# Altium PCB USB_to_IRDA.PcbDoc
Units mm, origin at the board's own origin, x right, y up, seen from the top; angles counter-clockwise.
Board outline 63.25 x 19.02 mm, 4 copper layers (Top Layer, Power Layer, Ground Layer, Bottom Layer), stack 1.478 mm thick; 42 components, 26 nets, 140 pads, 50 vias.
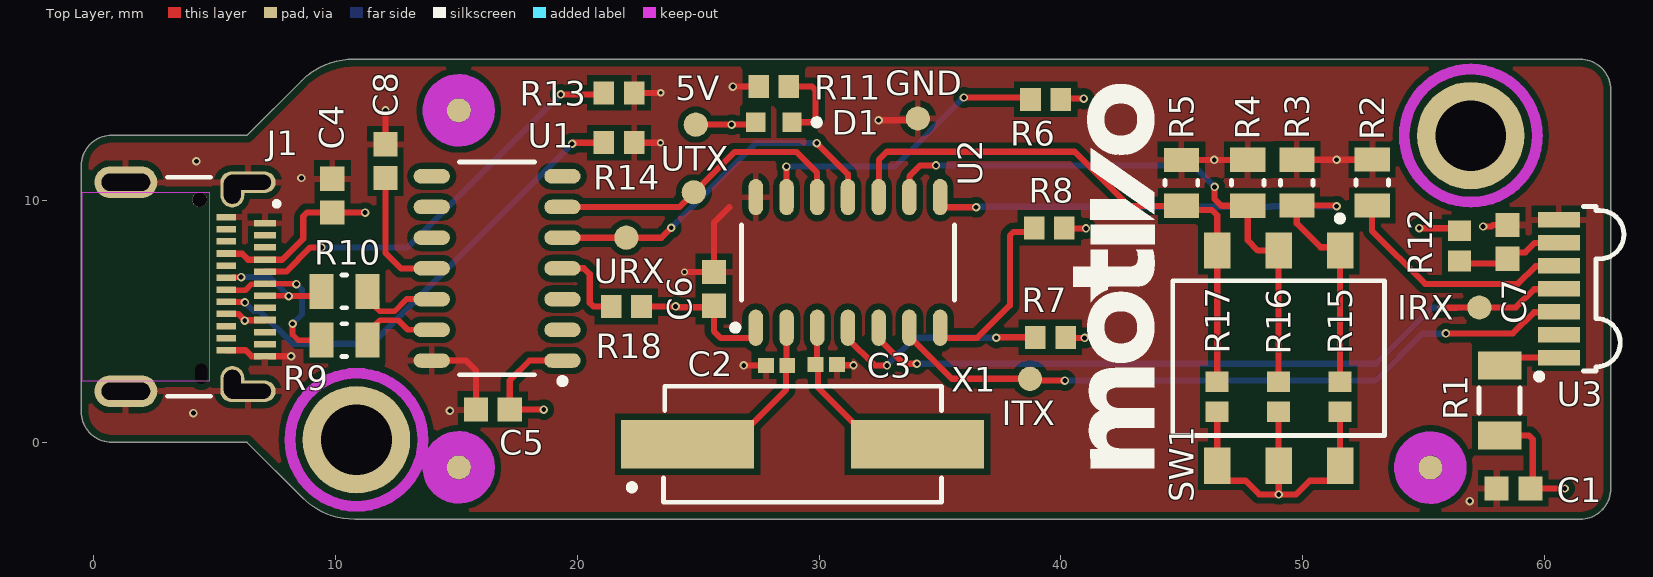
[diagram p0: Top Layer view]
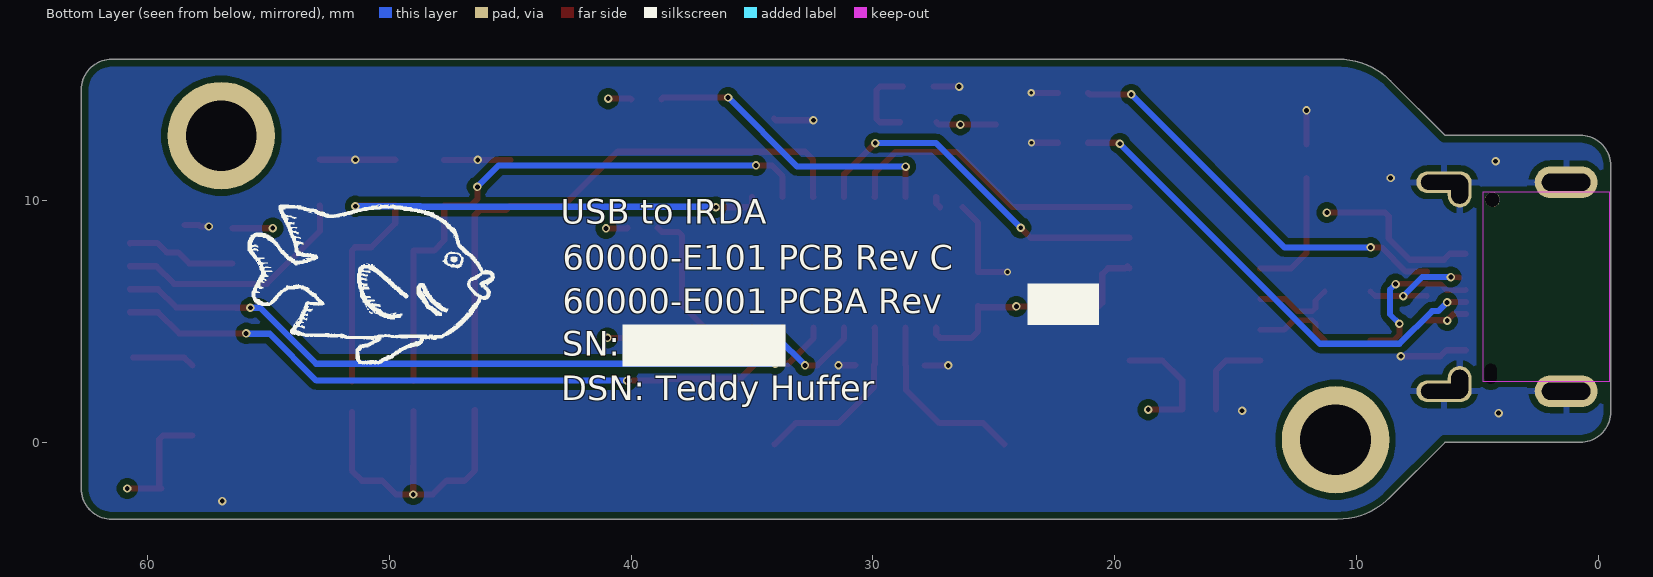
[diagram p1: Bottom Layer view, seen from below]
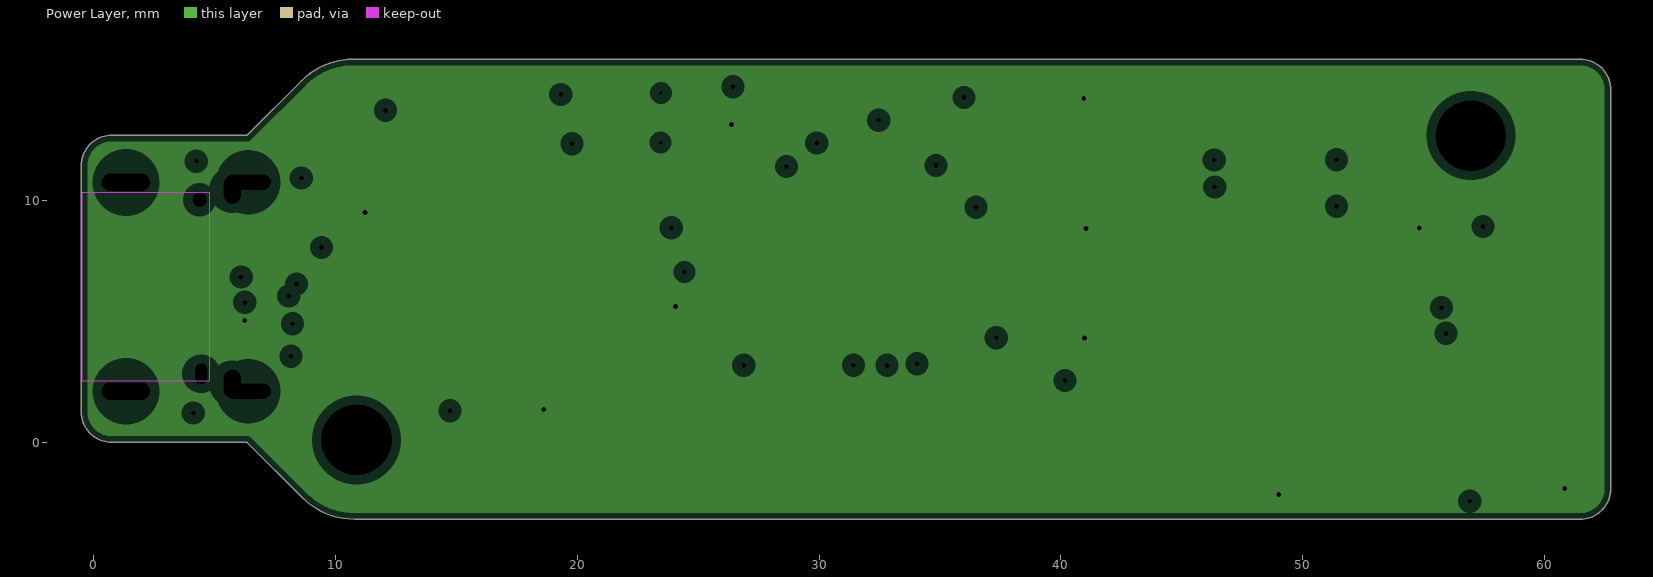
[diagram p2: Power Layer, clearances drawn from the general rule]
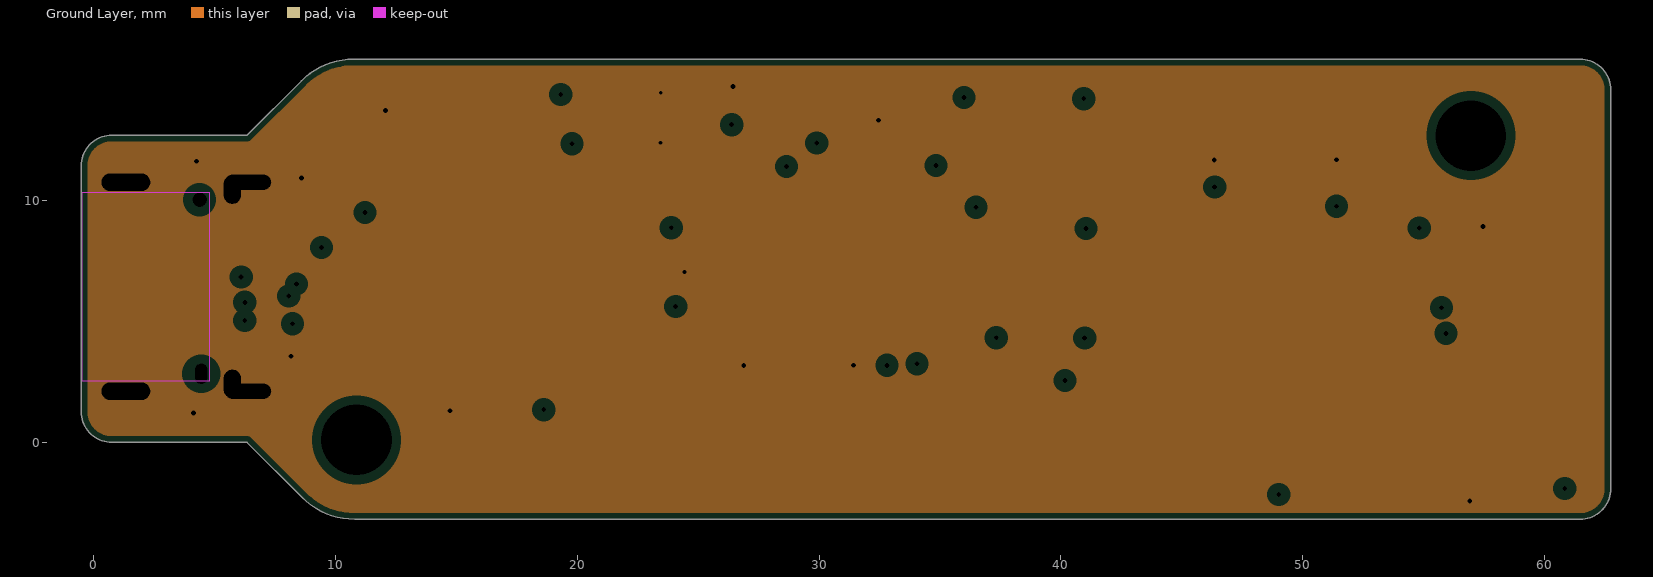
[diagram p3: Ground Layer, clearances drawn from the general rule]
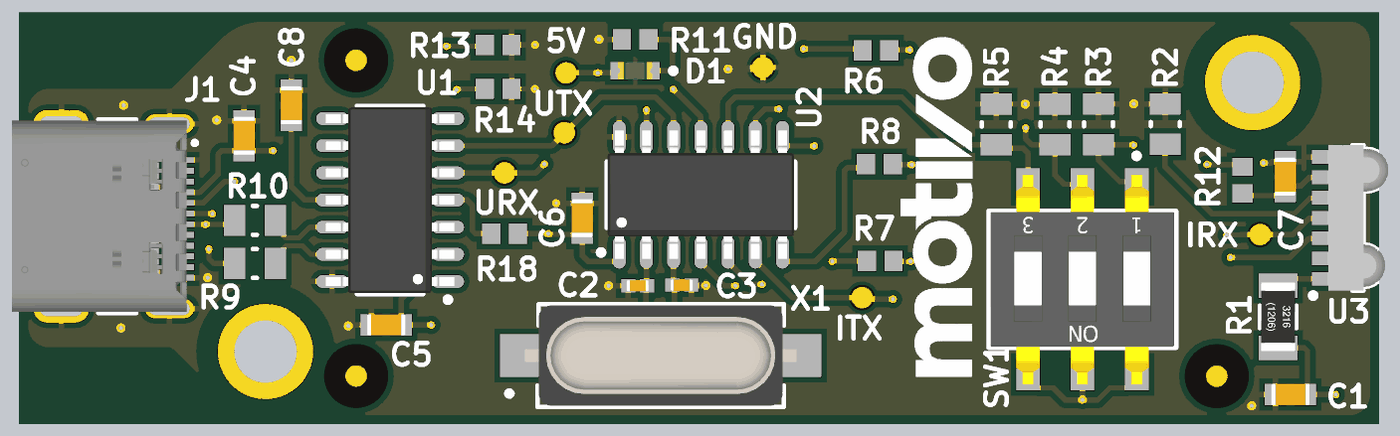
[diagram p4: 3D render of the assembled board from above, using the file's embedded part models]

## Layer stack, top to bottom
Top Solder: solder mask 0.0254, SM-001, Dk 4
Top Layer: signal copper 0.0178
Dielectric 1: prepreg 0.193, 2113-59, Dk 4.2
Power Layer: plane copper 0.033, net +5V
Dielectric1: core 0.9906, FR-4, Dk 4.3
Ground Layer: plane copper 0.033, net GND
Dielectric 2: prepreg 0.193, 2113-59, Dk 4.2
Bottom Layer: signal copper 0.0178
Bottom Solder: solder mask 0.0254, SM-001, Dk 4

## Board outline
0.762,0 6.35,0 8.63,-2.28 ccw(c10.798,-0.112) 10.798,-3.178 61.468,-3.178 ccw(c61.468,-1.908) 62.738,-1.908 62.738,14.572 ccw(c61.468,14.572) 61.468,15.842 10.762,15.842 ccw(c10.762,12.776) 8.594,14.944 6.35,12.7 0.762,12.7 ccw(c0.762,11.43) -0.508,11.43 -0.508,1.27 ccw(c0.762,1.27)

## Design rules (kind name [scope] priority, off if disabled: settings)
AcuteAngle [All] p1: minimum=8.90000000000000E+0001 checktracksonly=TRUE
AssemblyTestPointUsage [All] p1: allowmultiple=TRUE
AssemblyTestpoint [All] p1: testpointundercomponent=TRUE minsize=0.813 maxsize=2.54 preferedsize=1.524 minholesize=0 maxholesize=1.016 preferedholesize=0.813 testpointgrid=0.025 usegrid=FALSE gridtolerance=0 allowsidetop=TRUE allowsidebottom=TRUE
BoardOutlineClearance [Not InComponent('J1') and not InComponent('U3')] p1: gap=0.406 ignorepadtopadclearanceinfootprint=FALSE except(0.254: Text-OutlineEdge Text-CavityEdge Text-CutoutEdge Text-SplitBarrior Text-SplitContinuation; 0.305: Arc-OutlineEdge Arc-CutoutEdge Track-OutlineEdge Track-CutoutEdge SMDPad-OutlineEdge SMDPad-CutoutEdge THPad-OutlineEdge THPad-CutoutEdge Via-OutlineEdge Via-CutoutEdge Fill-OutlineEdge Fill-CutoutEdge Poly-OutlineEdge Poly-CutoutEdge Region-OutlineEdge Region-CutoutEdge)
Clearance [All] p1: gap=0.254 ignorepadtopadclearanceinfootprint=TRUE except(0.076: Text-Text Text-Hole; 0.089: Arc-Arc Arc-Track Track-Track; 0.127: SMDPad-SMDPad SMDPad-THPad THPad-THPad; 0.2: Arc-SMDPad Arc-Via Track-SMDPad Track-Via SMDPad-Via THPad-Via Via-Via; 0.203: Arc-THPad Track-THPad)
DiffPairsRouting [InDifferentialPairClass('USB')] p1: maxlimit=0.127 minlimit=0.089 mostfreqgap=0.127 toplayer_minwidth=0.237 toplayer_maxwidth=0.237 toplayer_prefwidth=0.237 bottomlayer_minwidth=0.237 bottomlayer_maxwidth=0.237 bottomlayer_prefwidth=0.237 impedanceprofiledriven=TRUE impedanceprofileid={52A8075D-A26E-4E62-AC32-EE0D05BCB8E7} impedanceprofilevalue=90.000000 maxuncoupledlength=12.7
HoleSize [All] p1: absolutevalues=TRUE maxlimit=6.299 minlimit=0.15 maxpercent=80.000 minpercent=20.000
HoleToHoleClearance [Not InComponent('J1') vs Not InComponent('J1')] p1: gap=0.254 allowstackedmicrovias=TRUE
MinimumAnnularRing MinimumAnnularRing_Via [IsVia] p1: minimumring=0.05
MinimumAnnularRing [All] p2: minimumring=0.127
MinimumSolderMaskSliver MinimumSolderMaskSliver_USB [HasFootprint('MOLEX_0475890001')] p1: minsoldermaskwidth=0
MinimumSolderMaskSliver [All] p2: minsoldermaskwidth=0.1
PlaneClearance [All] p1: clearance=0.381
PlaneConnect [All] p1: pad.planeconnectstyle=Relief pad.reliefexpansion=0.508 pad.reliefentries=4 pad.reliefconductorwidth=0.254 pad.reliefairgap=0.254 via.planeconnectstyle=Direct via.reliefexpansion=0.508 via.reliefentries=4 via.reliefconductorwidth=0.254 via.reliefairgap=0.254
PolygonConnect [All] p1: thpad.connectstyle=Relief thpad.reliefconductorwidth=0.254 thpad.reliefentries=4 thpad.polygonreliefangle="90 Angle" thpad.airgapwidth=0.254 smdpad.connectstyle=Relief smdpad.reliefconductorwidth=0.254 smdpad.reliefentries=4 smdpad.polygonreliefangle="90 Angle" smdpad.airgapwidth=0.254 via.connectstyle=Direct via.reliefconductorwidth=0.254 via.reliefentries=4 via.polygonreliefangle="90 Angle" via.airgapwidth=0.254
RoutingVias [All] p1: holewidth=0.305 width=0.813 viastyle="Through Hole" minholewidth=0.15 minwidth=0.3 maxholewidth=0.635 maxwidth=1.27
SMDEntry [All] p1: side=TRUE corner=TRUE anyangle=TRUE
SMDNeckDown [All] p1: percent=100.000
SMDToCorner [All] p1: distance=40000
SilkToSilkClearance [All] p1: silktosilkclearance=0.051
SilkToSolderMaskClearance SilkToSolderMaskClearance_IR_Sensor [InComponent('U3') or  InComponent('D1') vs InPadClass('All Pads') And OnLayer('Top Layer')] p1: minsilkscreentomaskgap=0.127 clearancetoexposedcopper=TRUE
SilkToSolderMaskClearance SilkscreenOverComponentPads [IsPad] p2: minsilkscreentomaskgap=0.152 clearancetoexposedcopper=FALSE
SolderMaskExpansion [All] p1: expansion=0.038 istentingtop=FALSE
Width [All] p1: maxlimit=2.54 minlimit=0.089 preferedwidth=0.254 minimp=50.000000 maximp=50.000000 favimp=50.000000
20 further rules are at their usual default settings.

## Classes and differential pairs
differential pair class USB: USB USB_dev
component class USB_to_IRDA: 5V C1 C2 C3 C4 C5 C6 C7 C8 D1 GND IRX ITX J1 R1 R2 R3 R4 R5 R6 R7 R8 R9 R10 R11 R12 R13 R14 R15 R16 R17 R18 SW1 U1 U2 U3 URX UTX X1
differential pair USB: +USB_P -USB_N
differential pair USB_dev: +USB_dev_P -USB_dev_N

## Components (designator, comment, footprint, x,y, rotation, side; value= is the part's Value field where it differs from the comment)
5V "TP_1MM" TP-SM-C-100 24.905,13.137 r90 top
C1 "C1608X5R1C475K080AC" CAP-0603-MD 58.715,-1.908 r0 top
C2 "CC0402JRNPO9BN360" CAP-0402-MD 28.246,3.185 r0 top value=36pF
C3 "CC0402JRNPO9BN360" CAP-0402-MD 30.302,3.216 r0 top value=36pF
C4 "C1608X5R1C475K080AC" CAP-0603-MD 9.873,10.201 r270 top
C5 "885012206020" CAP-0603-MD 16.513,1.355 r180 top
C6 "885012206020" CAP-0603-MD 25.655,6.345 r90 top
C7 "885012206020" CAP-0603-MD 58.471,8.289 r90 top
C8 "CL10B474KA8VPNC" CAP-0603-MD 12.073,11.626 r270 top
D1 "LTST-C190GKT" LED-0603 28.129,13.235 r180 top
FD1 "Fiducial_1mm" FIDUCIAL_1MM 15.104,13.728 r0 top
FD2 "Fiducial_1mm" FIDUCIAL_1MM 15.104,-1.035 r0 top
FD3 "Fiducial_1mm" FIDUCIAL_1MM 55.278,-1.042 r0 top
GND "TP_1MM" TP-SM-C-100 34.087,13.389 r90 top
IRX "TP_1MM" TP-SM-C-100 57.304,5.578 r0 top
ITX "TP_1MM" TP-SM-C-100 38.724,2.628 r0 top
J1 "CX90B1-24P" HRS_CX90B1-24P 7.088,9.059 r270 top
R1 "RNCP1206FTD10R0" RES-1206-MD 58.14,1.729 r270 top
R2 "RC0805FR-0710KL" RES-0805-MD 52.875,10.743 r270 top
R3 "RC0805FR-0710KL" RES-0805-MD 49.755,10.739 r90 top
R4 "RC0805FR-0710KL" RES-0805-MD 47.727,10.732 r90 top
R5 "RC0805FR-0710KL" RES-0805-MD 44.982,10.73 r90 top
R6 "RC0603FR-0710KL" RES-0603-MD 39.37,14.185 r0 top
R7 "RC0603FR-0710KL" RES-0603-MD 39.568,4.345 r0 top
R8 "RC0603FR-0710KL" RES-0603-MD 39.522,8.873 r0 top
R9 "CRCW080510R0JNEA" RES-0805-MD 10.373,4.227 r0 top
R10 "CRCW080510R0JNEA" RES-0805-MD 10.373,6.242 r0 top
R11 "RC0603FR-072K2L" RES-0603-MD 28.129,14.708 r0 top
R12 "RMCF0603FT47R0" RES-0603-MD 56.483,8.123 r90 top
R13 "CRCW06035K10JNEA" RES-0603-MD 21.729,14.453 r180 top
R14 "CRCW06035K10JNEA" RES-0603-MD 21.729,12.391 r180 top
R15 "MCR03ERTJ000" RES-0603-MD 51.545,1.887 r270 top
R16 "MCR03ERTJ000" RES-0603-MD 49.005,1.885 r270 top
R17 "MCR03ERTJ000" RES-0603-MD 46.465,1.887 r270 top
R18 "RC0603FR-0710KL" RES-0603-MD 22.033,5.62 r0 top
SW1 "A6S-3102-H" FP-A6S-3102-H-MFG 49.005,3.483 r180 top
U1 "MCP2221A-I/SL" SOIC127P600X175-14N 16.688,7.194 r180 top
U2 "MCP2120T-I/SL" SOIC127P600X175-14N 31.196,7.442 r90 top
U3 "TFBS4650-TR1" TFBS4650-TR1-Footprint-1 60.843,6.332 r90 top
URX "TP_1MM" TP-SM-C-100 22.033,8.464 r90 top
UTX "TP_1MM" TP-SM-C-100 24.822,10.342 r90 top
X1 "X49SM73728MSD2SC-1" X49SM73728MSD2SC-1-Footprint-1 29.32,-0.08 r0 top value="7.3728 MHz"

## Footprints (in the part's own frame and the unit in brackets; to place one, negate y for a bottom-side part, rotate by r counter-clockwise, add the part's x,y. Pads: shape width x height; smd on the part's side, far side on the other; paste and mask are expansions set on the pad)
CAP-0402-MD [mm] "Chip Capacitor, 2-Leads, Body 1.00x0.50mm (0402), IPC Medium Density"
  rect 0.66x0.62 smd: 1(-0.44,0) 2(0.44,0)
  body extent -0.53,-0.28 0.53,0.28, height 0.55
CAP-0603-MD [mm] "Chip Capacitor, 2-Leads, Body 1.60x0.80mm (0603), IPC Medium Density"
  rect 1x1 smd: 1(-0.7,0) 2(0.7,0)
  body extent -0.9,-0.5 0.9,0.5, height 1
FIDUCIAL_1MM [mm] "Fiducial 1mm"
  round 1 smd paste-400 mask+1: 1(0,0)
  Top Layer keep-out circle w1: c0,0 r1
FP-A6S-3102-H-MFG [mm]
  rect 1.1x1.5 smd: 1(-2.54,-4.45) 2(0,-4.45) 3(2.54,-4.45) 4(2.54,4.45) 5(0,4.45) 6(-2.54,4.45)
  silkscreen extent -4.38,-5.9 4.38,3.2, body extent -4.48,-5.3 4.48,5.3, height 0.25
HRS_CX90B1-24P [mm]
  round 0 hole 0.508 slot 0.838 at 0 deg unplated: 0(6.225,-2.635)
  rect 0.27x0.9 smd mask+0.05: A1(0,0) A2(0.5,0) A3(1,0) A4(1.5,0) A5(2,0) A6(2.5,0) A7(3,0) A8(3.5,0) A9(4,0) A10(4.5,0) A11(5,0) A12(5.5,0)
  rect 0.27x0.8 smd mask+0.05: B1(5.25,-1.6) B2(4.75,-1.6) B3(4.25,-1.6) B4(3.75,-1.6) B5(3.25,-1.6) B6(2.75,-1.6) B7(2.25,-1.6) B8(1.75,-1.6) B9(1.25,-1.6) B10(0.75,-1.6) B11(0.25,-1.6) B12(-0.25,-1.6)
  oval 1.3x2.6 hole 0.711 slot 2.007 at 90 deg: P1(-1.695,-5.75) P2(6.945,-5.75)
  oval 0.889x2.286 hole 0.61 slot 1.905 at 90 deg: P3(-1.695,-0.7) P4(6.945,-0.7)
  oval 1.473x0.991 hole 0.711 slot 1.168 at 0 deg: P3(-1.39,-1.348) P4(6.64,-1.348)
  round 0.61 / inner round 1.524 / far side round 0.61 hole 0.61 unplated paste-2539.97 mask-0.305: ""(-0.975,-2.7)
  Keep-Out Layer region: 6.525,-7.55 -1.275,-7.55 -1.275,-2.3 6.525,-2.3
  silkscreen extent -1.9,-4.03 7.15,0.58, body extent -1.85,-8.05 7.1,0.1, height 3.14
LED-0603 [mm] "LED-Green, SMT, Body 1.6x0.8mm, 0.28mm Thickness"
  rect 0.8x0.8 smd: 1(-0.75,0)
  rect 0.8x0.8 smd paste+0: 2(0.75,0)
  silkscreen extent -1.9,-0.12 -1.65,0.12, body extent -0.8,-0.4 0.8,0.4, height 0.81
RES-0603-MD [mm] "Chip Resistor, 2-Leads, Body 1.55x0.80mm (0603), IPC Medium Density"
  rect 0.85x0.95 smd: 1(-0.625,0) 2(0.625,0)
  body extent -0.77,-0.43 0.77,0.43, height 0.45
RES-0805-MD [mm] "Chip Resistor, 2-Leads, Body 2.00x1.25mm (0805), IPC Medium Density"
  rect 1x1.45 smd: 1(-0.95,0) 2(0.95,0)
  silkscreen extent -0.1,-0.67 0.1,0.67, body extent -1,-0.63 1,0.63, height 0.45
RES-1206-MD [mm] "Chip Resistor, 2-Leads, Body 3.20x1.60mm (1206), IPC Medium Density"
  rect 1.15x1.8 smd: 1(-1.45,0) 2(1.45,0)
  silkscreen extent -0.53,-0.85 0.53,0.85, body extent -1.6,-0.8 1.6,0.8, height 0.55
SOIC127P600X175-14N [mm] "SOIC, 14-Leads, Body 8.65x3.90mm, Pitch 1.27mm, IPC Medium Density"
  oval 1.5x0.6 smd: 1(-2.7,3.81) 2(-2.7,2.54) 3(-2.7,1.27) 4(-2.7,0) 5(-2.7,-1.27) 6(-2.7,-2.54) 7(-2.7,-3.81) 8(2.7,-3.81) 9(2.7,-2.54) 10(2.7,-1.27) 11(2.7,0) 12(2.7,1.27) 13(2.7,2.54) 14(2.7,3.81)
  silkscreen extent -2.83,-4.4 1.55,4.78, body extent -3,-4.35 3,4.35, height 1.75
TFBS4650-TR1-Footprint-1 [mm]
  rect 0.64x1.74 smd: 1(-2.825,0.25) 2(-1.875,0.25) 3(-0.925,0.25) 4(0.025,0.25) 5(0.975,0.25) 6(1.925,0.25) 7(2.875,0.25)
  silkscreen extent -3.73,-2.44 3.43,1.19, body extent -3.37,-2.44 3.43,0.39, height 1.61
TP-SM-C-100 [mm] "Test Point, Surface Mounting, Circular, Pad Diameter 1mm"
  round 1 smd paste-300 mask+0.102: 1(0,0)
X49SM73728MSD2SC-1-Footprint-1 [mm]
  rect 5.5x2 smd: 1(-4.75,0) 2(4.75,0)
  silkscreen extent -7.11,-2.4 5.75,2.4, body extent -6.35,-2.35 6.35,2.35, height 4.2

## Part data
5V GND IRX ITX URX UTX: library part CMP-084-000000-1, "Test Point 1MM", CheckedBy="David Volovskiy", CheckedDate=2/7/2020, CreatedBy="Andrew Ameri", CreatedDate=2/1/2020, ManufacturerPartNumber=TP_1MM, Pin Count=1
C1 C4: library part CMP-009-000081-8, "CAP CER 4.7UF 16V X5R 0603", Capacitance=4.7uF, Case Code (Imperial)=0603, Case Code (Metric)=1608, Dielectric=X5R, Manufacturer=TDK, Tolerance=10%, Voltage=16V, Case/Package=0603, CheckedBy="Daniel Samarin", CheckedDate=4/4/2018, CreatedDate=5/10/2018
C2 C3: library part CMP-002-00422-4, "CAP CER 36PF ±5% 50V C0G/NPO 0402", Capacitance=36pF, Case Code (Imperial)=0402, Case Code (Metric)=1005, Dielectric=NP0, Max Operating Temperature=125°C, Min Operating Temperature=-55°C, Package Quantity=10000, Tolerance=5%, Voltage=50V, Case/Package=0402, CheckedBy=AGL, CheckedDate=1/2/2023, Lead Free="Lead Free", Length=0.039inch, ManufacturerPartNumber=CC0402JRNPO9BN360, Mounting Technology="Surface Mount", Packaging="Tape and Reel", RoHS Compliant=Yes, Series=CC, Termination=SMD/SMT, Thickness=0.022inch, Weight=2.3E-05oz, Width=0.02inch
C5 C6 C7: library part CMP-009-000024-8, "CAP CER 0.1UF 10V X7R 0603", Capacitance=0.1uF, Case Code (Imperial)=0603, Case Code (Metric)=1608, Dielectric=X7R, Manufacturer="Wurth Electronics", Tolerance=10%, Voltage=10V, Case/Package=0603, CheckedBy="Daniel Samarin", CheckedDate=4/4/2018, ComponentLink1Description=Datasheet, ComponentLink1URL=https://search.kemet.com/component-edge/download/datasheet/C0603C104K8PAC7867.pdf, CreatedDate=5/2/2018
C8: library part CMP-009-000137-8, "CAP CER 0.47UF 25V X7R 0603", Capacitance=0.47uF, Case Code (Imperial)=0603, Case Code (Metric)=1608, Dielectric=X7R, Manufacturer="Samsung Electro-Mechanics", Tolerance=10%, Voltage=25V, Case/Package=0603, CreatedDate=12/27/2020
D1: library part CMP-024-000054-4, "LED GREEN CLEAR CHIP SMD", Case Code (Imperial)=0603, Case Code (Metric)=1608, Color=Green, CurrentMax=120mA, Forward Current=30mA, Forward Voltage=2.1V, Lens Color=Colorless, Manufacturer="Lite-On Inc", Max Operating Temperature=85°C, Min Operating Temperature=-55°C, Package Quantity=1, Power Dissipation=100mW, Reverse Voltage=5V, Test Current=10mA, Voltage=2V, Case/Package=0603, CheckedBy=AGL, CheckedDate=2/12/2024, ComponentLink1Description=Datasheet, ComponentLink1URL=http://media.digikey.com/pdf/Data%20Sheets/Lite-On%20PDFs/LTST-C190GKT.pdf, Created_By="Tejaswi Gode", Created_Date=9/8/2016, Depth=0.8mm, Dominant Wavelength=569nm, Height=0.9mm, Illumination Color=Green, Lead Free="Lead Free", LEDColor=Green, Length=1.6mm, Lens Size=0.8mm, Lens Style=Flat,Diffused,Colorless,Rectangular,Clear, Lens Transparency=Clear, Luminous Intensity=6mcd, ManufacturerPartNumber=LTST-C190GKT, Mounting Technology="Surface Mount", Number of Elements=1, Number of LEDs=1, Packaging="Tape and Reel", Pin Count=2, Pins=2, Power Rating=100mW, Radiation Hardening=No, RoHS Compliant=Yes, Series=-, Size=0603, Vforward=2.1V, Viewing Angle=130°, Wavelength=565nm, Width=0.8mm
FD1 FD2 FD3: library part CMP-086-000036-3
J1: library part CMP-144-000000-4, "CONN RCP USB3.1 TYPEC 24P SMD RA", Flammability Rating="UL94 V-0", Insulation Color=Black, Max Operating Temperature=85°C, Min Operating Temperature=-30°C, CheckedBy=AGL, CheckedDate=2/13/2024, Component Type=Standard, Connector Type=USB, Contact Plating=Gold, Design Item ID=CX90B1-24P, Gender=Receptacle, Mating Cycles=10000, Mounting Technology="Surface Mount,Through Hole,Horizontal", Number of Contacts=24, Number of Ports=1, Packaging="Cut Tape", Pin Count=28, RoHS Compliant=Yes, Series=CX, Shielding=Shielded, Source=CX90B1-24P.SchLib, Termination=Solder
R1: library part CMP-049-000331-23, "RES 10 OHM 1% 1/2W 1206", Case Code (Imperial)=1206, Case Code (Metric)=3216, Power=1/2W, Resistance=10, Tolerance=1%, Case/Package=1206, CheckedBy=AGL, CheckedDate=1/2/2024, ComponentLink1Description=Datasheet, ComponentLink1URL=https://www.seielect.com/Catalog/SEI-rncp.pdf, CreatedDate=10/15/2020, Size=1206
R2 R3 R4 R5: library part CMP-049-000214-23, "RES 10K OHM 1% 1/8W 0805", Case Code (Imperial)=0805, Case Code (Metric)=2012, Max Operating Temperature=155°C, Max Power Dissipation=125mW, Min Operating Temperature=-55°C, Package Quantity=1, Resistance=10k, Resistance Tolerance=1%, Resistor Type="Thick Film", Temperature Coefficient=100ppm/°C, Voltage Rating=150V, Case/Package=0805, CheckedBy=AGL, CheckedDate=1/2/2024, Construction=Rectangular, Depth=1.25mm, Features="Moisture Resistant", Height=0.024inch, Lead Free="Lead Free", Length=0.079inch, Military Standard=Not, Number of Terminations=2, Packaging="Tape and Reel", Power=125mW, RoHS Compliant=Yes, Series=RC, Technology="THICK FILM", Termination=SMD/SMT, Tolerance=1%, Width=0.049inch
R6 R7 R8 R18: library part CMP-049-000171-20, "RES SMD 10K OHM 1% 1/10W 0603", Power=1/10W, Resistance=10k, Tolerance=1%, CheckedBy="Chris Verdegan", CheckedDate=1/20/2022, CreatedDate=6/11/2017, Size=0603
R9 R10: library part CMP-049-000073-22, "RES SMD 10 OHM 5% 1/8W 0805", Case Code (Imperial)=0805, Case Code (Metric)=2012, Power=1/8W, Resistance="10 Ohm", Tolerance=5%, Case/Package=0805, CheckedBy=AGL, CheckedDate=1/2/2024, ComponentLink1Description=Datasheet, ComponentLink1URL=http://www.vishay.com/docs/20035/dcrcwe3.pdf, CreatedDate=9/14/2016, Size=0805
R11: library part CMP-049-000186-20, "RES 2.20K OHM 1/10W 1% 0603 SMD", Power="1/10 W", Resistance=2.2k, Tolerance=1%, CheckedBy="Daniel Samarin", CheckedDate=6/29/2014, ComponentLink1Description=Datasheet, ComponentLink1URL=http://www.yageo.com/documents/recent/PYu-RC0603_51_RoHS_L_4.pdf, CreatedDate=6/4/2014, Size=0603
R12: library part CMP-011-00087-5, "RES 47 OHM 1% 1/10W 0603", Case Code (Imperial)=0603, Case Code (Metric)=1608, Max Operating Temperature=155°C, Min Operating Temperature=-55°C, Power=100mW, Resistance="47 Ohm", Temperature Coefficient=100ppm/°C, Tolerance=1%, Voltage Rating=75V, Case/Package=0603, Contact Plating=Tin,Matte, Features="Automotive AEC-Q200", Height=0.022inch, Length=0.061inch, Mounting Technology="Surface Mount", Number of Terminations=2, Packaging="Tape and Reel", Radiation Hardening=No, RoHS Compliant=Yes, Series=RMCF, Width=0.031inch
R13 R14: library part CMP-049-000065-21, "RES SMD 5.1K OHM 5% 1/10W 0603", Case Code (Imperial)=0603, Case Code (Metric)=1608, Max Operating Temperature=155°C, Max Power Dissipation=100mW, Min Operating Temperature=-55°C, Package Quantity=5000, Ratings=AEC-Q200, Resistance=5.1k, Resistance Tolerance=5%, Resistor Type="Thick Film", Temperature Coefficient=200ppm/°C, Voltage Rating=75V, Case/Package=0603, ComponentLink1Description=Datasheet, ComponentLink1URL=http://www.vishay.com/docs/20035/dcrcwe3.pdf, Construction=Rectangular, Contact Plating=Tin, CreatedDate=9/9/2016, Depth=0.85mm, Features="Automotive AEC-Q200", Height=0.45mm, Lead Free="Lead Free", Length=1.55mm, Military Standard=Not, Number of Terminations=2, Packaging="Tape and Reel", Pins=2, Power=100mW, Power Rating=100mW, Radiation Hardening=No, Reach SVHC Compliant=Unknown, RoHS Compliant=Yes, Series=CRCW, Size=0603, Termination=SMD/SMT, Tolerance=5%, Voltage Rating (DC)=75V, Weight=7.1E-05oz, Width=0.85mm
R15 R16 R17: library part CMP-049-000159-22, "RES SMD 0.0OHM JUMPER 1/10W 0603", Case Code (Imperial)=0603, Case Code (Metric)=1608, Max Operating Temperature=155°C, Max Power Dissipation=100mW, Min Operating Temperature=-55°C, Package Quantity=1, Power=1/10W, Resistance=0R, Tolerance=N/A, Voltage Rating (DC)=50V, Case/Package=0603, CreatedDate=8/15/2016, Height=0.022inch, Lead Free="Lead Free", Length=0.063inch, Number of Terminations=2, Packaging="Cut Tape", RoHS Compliant=Yes, Series=MCR, Size=0603, Width=0.031inch
SW1: library part CMP-012-00011-2, "SWITCH SLIDE DIP SPST 25MA 24V", Case/Package=DIP, Contact Current Rating=25mA, Contact Resistance=200mR, Max Operating Temperature=70°C, Max Voltage Rating (DC)=24V, Min Operating Temperature=-20°C, Package Quantity=55, Actuator Length=0mm, Actuator Type="Slide (Standard)", CheckedBy=AGL, CheckedDate=1/2/2024, Contact Material=Gold, Contact Plating=Gold, Depth=9.8mm, Electrical Life=1000Cycles, Length=8.56mm, Max Current Rating=25mA, Mechanical Life=1000Cycles, Mounting Technology="Surface Mount", Number of Circuits=3, Number of Positions=3, Orientation=Straight, Packaging=Rail/Tube, Radiation Hardening=No, Reach SVHC Compliant=Unknown, RoHS Compliant=Yes, Series=A6S-H, Terminal Pitch=2.54mm, Termination="Gull Wing", Throw Configuration=SPST, Voltage Rating (DC)=24V, Washable=Yes
U1: library part CMP-016-00019-4, "IC USB TO I2C/UART 14SOIC", Case/Package=SOIC, Max Operating Temperature=85°C, Min Operating Temperature=-40°C, Operating Supply Current=13mA, Interface=I2C,UART, Packaging=Rail/Tube, RoHS Compliant=Yes, Series=-
U2: library part CMP-016-00020-5, "IC ENCODR/DECODR 2.5V IR 14-SOIC", Case/Package=SOIC, Max Operating Temperature=85°C, Max Supply Voltage=5.5V, Min Operating Temperature=-40°C, Min Supply Voltage=2.5V, Nominal Supply Current=1.4mA, Package Quantity=2600, Power Dissipation=700mW, Voltage=5V, Lead Free="Lead Free", Mounting Technology="Surface Mount", Number of Bits=16, Number of Channels=1, Packaging="Tape and Reel", Pins=14, Radiation Hardening=No, RoHS Compliant=Yes, Series=-, Touchscreen="Infrared (IR)"
U3: library part CMP-025-00000-1, "TXRX IRDA 115.2KBIT SIDE 7-SMD / Infrared Transceiver 9.6 kbit/s to 115.2 kbit/s (SIR)"
X1: library part CMP-003-00033-1, "7.3728MHz 20pF ±20ppm HC-49S-SMD Crystals ROHS", Capacitanace="20 pF"

## Free pads (board coordinates)
  round 4.445 hole 2.921: 1(56.951,12.683) 2(10.873,0.106)

## Via types
v1: diameter 0.35, hole 0.2, Top Layer to Bottom Layer, 47 vias
v2: diameter 0.3, hole 0.15, Top Layer to Bottom Layer, 3 vias

## Nets (pads, with @x,y where several pads share a name; then routed paths per layer and width w, separated by ;. In a path a pad name is that pad's centre, name@x,y a point inside that pad or via, vN(x,y) a via of type N, cw(c..) or ccw(c..) an arc to the next point about the centre after c; other vN are vias at no path point)
+5V: 5V.1 C1.2 C4.2 C5.1 C6.1 D1.2 J1.A4 J1.A9 J1.B4 J1.B9 R1.2 R6.2 R7.2 R8.2 R12.2 R15.2 R16.2 R17.2 R18.2 SW1.4 SW1.5 SW1.6 U1.1 U2.1 | length 46.3
  Top Layer w0.254: J1.B4 5.99,5.309 6.257,5.042 v1(6.257,5.035) 6.273,5.051 7.08,5.051 J1.A9 ; J1.B9@5.496,7.801 6.15,7.801 6.392,7.559 6.392,7.551 7.8,7.551 8.673,8.424 8.673,9.352 8.822,9.501 C4.2 v1(11.228,9.501) ; v1(18.617,1.353) 18.615,1.355 C5.1 17.213,2.568 18.028,3.384 U1.1 ; R18.2 24.097,5.62 24.131,5.586 25.596,5.586 C6.1 25.655,4.598 25.941,4.312 25.949,4.32 27.226,4.32 27.386,4.48 U2.1 ; 5V.1 v1(26.386,13.137) 27.281,13.137 D1.2 ; R6.2 40.022,14.212 v1(40.947,14.212) ; R8.2 40.174,8.846 v1(41.038,8.846) ; R7.2 40.218,4.319 v1(40.984,4.319) ; R17.2@46.465,1.338 SW1.4 46.465,-1.167 46.888,-1.59 47.635,-1.59 48.2,-2.155 v1(49.009,-2.155) ; R16.2@49.005,1.292 SW1.5 49.009,-0.97 v1(49.009,-2.155) ; R15.2 SW1.6 51.545,-1.167 51.122,-1.59 50.291,-1.59 49.726,-2.155 v1(49.009,-2.155) ; v1(54.819,8.861) 54.826,8.855 56.477,8.855 R12.2@56.483,8.848 ; R1.2 59.362,0.279 59.511,0.13 59.511,-1.813 C1.2 ; C1.2@59.511,-1.908 v1(60.833,-1.908)
  other v1: 24.071,5.62
BAUD0: R5.1 R17.1 SW1.3 U2.10 | length 23.5
  Top Layer w0.254: U2.10 32.474,10.15 32.474,11.679 32.81,12.015 40.57,12.015 42.804,9.78 R5.1 ; R5.1@45.006,9.78 45.172,9.614 46.243,9.614 46.465,9.392 SW1.3 R17.1@46.465,2.588
BAUD1: R4.1 R16.1 SW1.2 U2.9 | length 24.3
  Top Layer w0.254: U2.9 33.736,10.999 34.186,11.449 v1(34.837,11.449) ; v1(46.358,10.563) 46.358,10.061 46.636,9.782 R4.1 47.727,8.356 48.15,7.933 SW1.2 R16.1@49.005,2.542
  Bottom Layer w0.254: v1(34.837,11.449) 45.472,11.449 v1(46.358,10.563)
BAUD2: R3.1 R15.1 SW1.1 U2.8 | length 26.9
  Top Layer w0.254: U2.8 35.006,9.72 v1(36.494,9.72) ; v1(51.4,9.765) 51.388,9.765 51.365,9.789 R3.1 49.755,9.052 50.741,8.066 51.412,8.066 SW1.1 R15.1
  Bottom Layer w0.254: v1@36.473,9.72 v1@36.494,9.742 ; v1@36.494,9.743 48.692,9.743 48.714,9.765 v1(51.4,9.765)
EN_IR_ENC: R6.1 U2.13 | length 12.6
  Top Layer w0.254: v1(28.651,11.403) 28.654,11.401 28.654,10.144 U2.13 ; v1(35.992,14.26) 38.669,14.26 R6.1
  Bottom Layer w0.254: v1(28.651,11.403) 33.135,11.403 v1(35.992,14.26)
GND: C1.1 C2.1 C3.2 C4.1 C5.2 C6.2 C7.2 C8.1 GND.1 J1.A1 J1.A12 J1.B1 J1.B12 J1.P1 J1.P2 J1.P3 J1.P4 R2.1 R3.2 R4.2 R5.2 R11.1 R13.1 R14.1 U1.14 U2.14 U3.7 | length 25.9
  Top Layer w0.254: J1.B1 6.287,3.809 6.537,3.559 J1.A12 v1(8.171,3.559) ; C8.1 v1(12.073,13.728) ; U1.14 15.403,3.384 15.813,2.974 C5.2 ; R14.1 v2(23.446,12.391) ; R13.1 v2(23.457,14.453) ; v2(24.439,7.045) C6.2 25.655,9.085 26.29,9.72 ; v1(26.44,14.708) R11.1 ; v1(26.889,3.185) C2.1@27.856,3.185 ; U2.14@27.226,9.72 27.386,9.88 U2.14 ; C3.2@30.732,3.191 v1(31.425,3.191) ; v1(32.465,13.317) 34.014,13.317 GND.1 ; R5.2 44.984,11.678 47.722,11.678 R4.2 ; R3.2 v1(51.4,11.689) 52.822,11.689 52.827,11.693 R2.1 ; v1(57.456,8.925) 57.806,8.925 57.869,8.989 C7.2
  other v1: 56.908,-2.43 4.128,1.209 14.738,1.305 8.594,10.932 4.252,11.626 46.34,11.678
MODE: R8.1 U2.7 | length 7.9
  Top Layer w0.254: U2.7 35.006,4.32 36.542,4.32 37.892,5.67 37.892,8.551 38.041,8.7 38.724,8.7 R8.1
NetC7_1: C7.1 R12.1 U3.6 | length 4.6
  Top Layer w0.254: R12.1@56.483,7.398 58.28,7.398 58.735,7.853 59.203,7.853 59.596,8.246 60.706,8.246 U3.6@60.72,8.232
NetC8_2: C8.2 U1.11 | length 5.3
  Top Layer w0.254: C8.2 12.073,7.834 12.714,7.194 U1.11
NetD1_1: D1.1 R11.2 | length 3.4
  Top Layer w0.254: R11.2 29.71,14.708 29.859,14.559 29.859,13.384 29.71,13.235 D1.1
NetIRX_1: IRX.1 U2.5 U3.4 | length 30.4
  Top Layer w0.254: U2.5 32.466,4.292 33.508,3.25 v1@34.038,3.25 ; v1(55.741,5.563) 56.365,5.563 56.38,5.578 58.812,5.578 59.566,6.332 U3.4@60.72,6.332
  Bottom Layer w0.254: v1(34.05,3.25) 53.029,3.25 55.343,5.563 v1(55.741,5.563)
NetITX_1: ITX.1 U2.6 U3.3 | length 29.3
  Top Layer w0.254: U2.6 33.736,4.385 35.493,2.628 ITX.1 38.786,2.565 40.16,2.565 v1(40.169,2.556) ; v1(55.921,4.508) 58.694,4.508 59.568,5.382 U3.3@60.72,5.382
  Bottom Layer w0.254: v1(40.169,2.556) 53.01,2.556 54.944,4.49 55.902,4.49 v1(55.921,4.508)
NetJ1_A5: J1.A5 R13.2 | length 17.1
  Top Layer w0.254: J1.A5 7.97,7.059 8.97,8.059 v1(9.423,8.059) ; v1(19.319,14.388) 21.04,14.388 R13.2
  Bottom Layer w0.254: v1(9.423,8.059) 12.99,8.059 v1(19.319,14.388)
NetJ1_B5: J1.B5 R14.2 | length 19.8
  Top Layer w0.254: J1.B5@5.49,5.811 5.5,5.801 6.245,5.801 v1(6.258,5.789) ; v1(19.787,12.35) 19.799,12.35 19.841,12.391 R14.2
  Bottom Layer w0.254: v1(6.258,5.789) 6.619,5.428 6.882,5.428 8.23,4.08 11.517,4.08 v1(19.787,12.35)
NetR1_1: R1.1 U3.1 | length 2.6
  Top Layer w0.254: R1.1 58.469,3.508 U3.1
NetR2_2: R2.2 U3.5 | length 10.1
  Top Layer w0.254: R2.2 52.858,9.776 52.858,8.751 55.057,6.552 58.897,6.552 59.627,7.282 U3.5@60.72,7.282
NetR18_1: R18.1 U1.4 | length 3.4
  Top Layer w0.254: U1.4 19.479,7.285 19.563,7.201 20.28,7.201 20.521,6.959 20.521,5.769 20.67,5.62 R18.1
NetU1_5: U1.5 U2.11 URX.1 | length 14.9
  Top Layer w0.254: U1.5 23.481,8.464 v1(23.891,8.873) ; v1(29.906,12.375) 31.191,11.09 31.191,10.146 U2.11
  Bottom Layer w0.254: v1(23.891,8.873) 27.393,12.375 v1(29.906,12.375)
NetU1_6: U1.6 U2.12 UTX.1 | length 12.9
  Top Layer w0.254: U1.6 24.233,9.734 24.822,10.322 UTX.1 24.841,10.342 26.509,12.01 29.058,12.01 29.921,11.147 29.921,10.146 U2.12
"OSC 1": C2.2 U2.2 X1.1 | length 7.6
  Top Layer w0.254: X1.1 25.443,0.793 27.254,0.793 28.636,2.175 C2.2@28.636,3.185 ; C2.2@28.651,3.185 28.651,4.737 U2.2
"OSC 2": C3.1 U2.3 X1.2 | length 7.6
  Top Layer w0.254: U2.3 29.921,4.737 29.921,3.221 29.952,3.191 29.952,2.282 31.441,0.793 33.197,0.793 X1.2
RST_IR_ENC: R7.1 U2.4 | length 9.1
  Top Layer w0.254: U2.4 31.196,4.292 32.302,3.185 v1(32.81,3.185) ; v1(37.329,4.328) 37.342,4.328 37.358,4.345 R7.1
  Bottom Layer w0.254: v1(32.81,3.185) 33.953,4.328 v1(37.329,4.328)
USB_dev_N: R10.2 U1.12 | length 3.4
  Top Layer w0.237: R10.2 11.705,5.861 11.705,5.555 11.844,5.416 12.447,5.416 12.954,5.924 U1.12
USB_dev_P: R9.2 U1.13 | length 3.4
  Top Layer w0.237: R9.2 11.705,4.609 11.705,4.914 11.844,5.053 12.597,5.053 12.997,4.654 U1.13
USB_N: J1.A7 J1.B7 R10.1 | length 5.1
  Top Layer w0.237: J1.B7@5.745,6.801 5.767,6.823 6.091,6.823 v1(6.104,6.836) ; J1.A7@7.096,6.051 7.104,6.059 7.987,6.059 7.995,6.051 9.232,6.051 R10.1
  Bottom Layer w0.237: v1(6.104,6.836) 6.109,6.841 7.284,6.841 v1(8.075,6.051)
USB_P: J1.A6 J1.B6 R9.1 | length 6.7
  Top Layer w0.237: J1.B6@5.491,6.312 5.509,6.293 6.286,6.293 6.536,6.543 7.072,6.543 J1.A6 ; J1.A6@7.096,6.551 7.104,6.559 8.379,6.559 v1(8.391,6.547) ; v1(8.23,4.902) 8.23,4.459 8.462,4.227 R9.1
  Bottom Layer w0.237: v1(8.23,4.902) 8.62,5.293 8.62,6.318 v1(8.391,6.547)
pads on no net: FD1.1 FD2.1 FD3.1 J1. J1.0 J1.A2 J1.A3 J1.A8 J1.A10 J1.A11 J1.B2 J1.B3 J1.B8 J1.B10 J1.B11 U1.2 U1.3 U1.7 U1.8 U1.9 U1.10 U3.2

## Polygon pours and split planes (outlines as drawn)
GND on Bottom Layer "GND_L04_P001" (solid, remove dead copper, pour order 1): 0.762,0 6.35,0 8.63,-2.28 ccw(c10.798,-0.112) 10.798,-3.178 61.468,-3.178 ccw(c61.468,-1.908) 62.738,-1.908 62.738,14.572 ccw(c61.468,14.572) 61.468,15.842 10.762,15.842 ccw(c10.762,12.776) 8.594,14.944 6.35,12.7 0.762,12.7 ccw(c0.762,11.43) -0.508,11.43 -0.508,1.27 ccw(c0.762,1.27)
GND on Top Layer "GND_L01_P000" (solid, remove dead copper, pour order 0): 0.762,0 6.35,0 8.63,-2.28 ccw(c10.798,-0.112) 10.798,-3.178 61.468,-3.178 ccw(c61.468,-1.908) 62.738,-1.908 62.738,14.572 ccw(c61.468,14.572) 61.468,15.842 10.762,15.842 ccw(c10.762,12.776) 8.594,14.944 6.35,12.7 0.762,12.7 ccw(c0.762,11.43) -0.508,11.43 -0.508,1.27 ccw(c0.762,1.27)
GND on Ground Layer (split plane): 10.762,15.586 61.468,15.586 61.477,15.587 61.601,15.579 61.731,15.553 61.857,15.511 61.976,15.452 62.086,15.378 62.186,15.291 62.274,15.191 62.348,15.08 62.406,14.961 62.449,14.835 62.475,14.705 62.483,14.582 62.482,14.572 62.482,-1.908 62.483,-1.917 62.475,-2.041 62.449,-2.171 62.406,-2.297 62.348,-2.416 62.274,-2.526 62.186,-2.626 62.086,-2.714 61.976,-2.788 61.857,-2.846 61.731,-2.889 61.601,-2.915 61.477,-2.923 61.468,-2.922 10.798,-2.922 10.787,-2.923 10.577,-2.915 10.358,-2.889 10.142,-2.846 9.929,-2.786 9.722,-2.71 9.521,-2.617 9.329,-2.509 9.145,-2.387 8.972,-2.25 8.818,-2.107 8.811,-2.099 6.531,0.181 6.478,0.222 6.453,0.232 6.416,0.247 6.35,0.256 0.762,0.256 0.753,0.255 0.629,0.263 0.499,0.289 0.373,0.332 0.254,0.39 0.144,0.464 0.044,0.552 -0.044,0.652 -0.118,0.762 -0.176,0.881 -0.219,1.007 -0.245,1.137 -0.253,1.261 -0.252,1.27 -0.252,11.43 -0.253,11.439 -0.245,11.563 -0.219,11.693 -0.176,11.819 -0.118,11.938 -0.044,12.048 0.044,12.148 0.144,12.236 0.254,12.31 0.373,12.368 0.499,12.411 0.629,12.437 0.753,12.445 0.762,12.444 6.35,12.444 6.416,12.453 6.478,12.478 6.531,12.519 8.775,14.763 8.782,14.772 8.936,14.914 9.11,15.051 9.293,15.174 9.486,15.282 9.686,15.374 9.893,15.45 10.106,15.51 10.323,15.553 10.542,15.579 10.752,15.588
+5V on Power Layer (split plane): 10.762,15.586 61.468,15.586 61.477,15.587 61.601,15.579 61.731,15.553 61.857,15.511 61.976,15.452 62.086,15.378 62.186,15.291 62.274,15.191 62.348,15.08 62.406,14.961 62.449,14.835 62.475,14.705 62.483,14.582 62.482,14.572 62.482,-1.908 62.483,-1.917 62.475,-2.041 62.449,-2.171 62.406,-2.297 62.348,-2.416 62.274,-2.526 62.186,-2.626 62.086,-2.714 61.976,-2.788 61.857,-2.846 61.731,-2.889 61.601,-2.915 61.477,-2.923 61.468,-2.922 10.798,-2.922 10.787,-2.923 10.577,-2.915 10.358,-2.889 10.142,-2.846 9.929,-2.786 9.722,-2.71 9.521,-2.617 9.329,-2.509 9.145,-2.387 8.972,-2.25 8.818,-2.107 8.811,-2.099 6.531,0.181 6.478,0.222 6.453,0.232 6.416,0.247 6.35,0.256 0.762,0.256 0.753,0.255 0.629,0.263 0.499,0.289 0.373,0.332 0.254,0.39 0.144,0.464 0.044,0.552 -0.044,0.652 -0.118,0.762 -0.176,0.881 -0.219,1.007 -0.245,1.137 -0.253,1.261 -0.252,1.27 -0.252,11.43 -0.253,11.439 -0.245,11.563 -0.219,11.693 -0.176,11.819 -0.118,11.938 -0.044,12.048 0.044,12.148 0.144,12.236 0.254,12.31 0.373,12.368 0.499,12.411 0.629,12.437 0.753,12.445 0.762,12.444 6.35,12.444 6.416,12.453 6.478,12.478 6.531,12.519 8.775,14.763 8.782,14.772 8.936,14.914 9.11,15.051 9.293,15.174 9.486,15.282 9.686,15.374 9.893,15.45 10.106,15.51 10.323,15.553 10.542,15.579 10.752,15.588

## Keep-outs
Top Layer:
  circle w0.45: c56.951,12.683 r2.75
  circle w0.45: c10.873,0.106 r2.75

## Silkscreen, mask and mechanical layers (free items; w line width, h text height)
Top Overlay:
  drawing of 7 lines, arcs and shapes, not listed
Bottom Overlay:
  drawing of 17 lines, arcs and shapes, not listed
  text "USB to IRDA" at 42.91,9.041 h1.02
  text "60000-E101 PCB Rev C" at 42.834,7.136 h1.02
  text "60000-E001 PCBA Rev" at 42.834,5.333 h1.02
  text "SN:" at 42.856,3.573 h1.02
  text "DSN: Teddy Huffer" at 42.884,1.735 h1.02
Board:
  lines w0.254: 6.35,0 ccw(c6.35,0) 6.35,0 ; 6.35,0 ccw(c6.35,0) 6.35,0 ; 6.35,0 8.63,-2.28 ccw(c10.798,-0.112) 10.798,-3.178 20.311,-3.178 59.05,-3.178 61.468,-3.178 ccw(c61.468,-1.908) 62.738,-1.908 62.738,14.572 ccw(c61.468,14.572) 61.468,15.842 19.335,15.842 10.762,15.842 ccw(c10.762,12.776) 8.594,14.944 6.35,12.7 ; 6.35,0 0.762,0 cw(c0.762,1.27) -0.508,1.27 -0.508,11.43 cw(c0.762,11.43) 0.762,12.7 6.35,12.7 ; 6.35,12.7 ccw(c6.35,12.7) 6.35,12.7

## Text inside footprints (layer, text, board x,y; h text height)
J1: Assembly Notes "PCB Edge" at -0.252,0.114 h0.81 r270